# Altium PCB Minion_Rev2.PcbDoc (part 9 of 11) (continued)
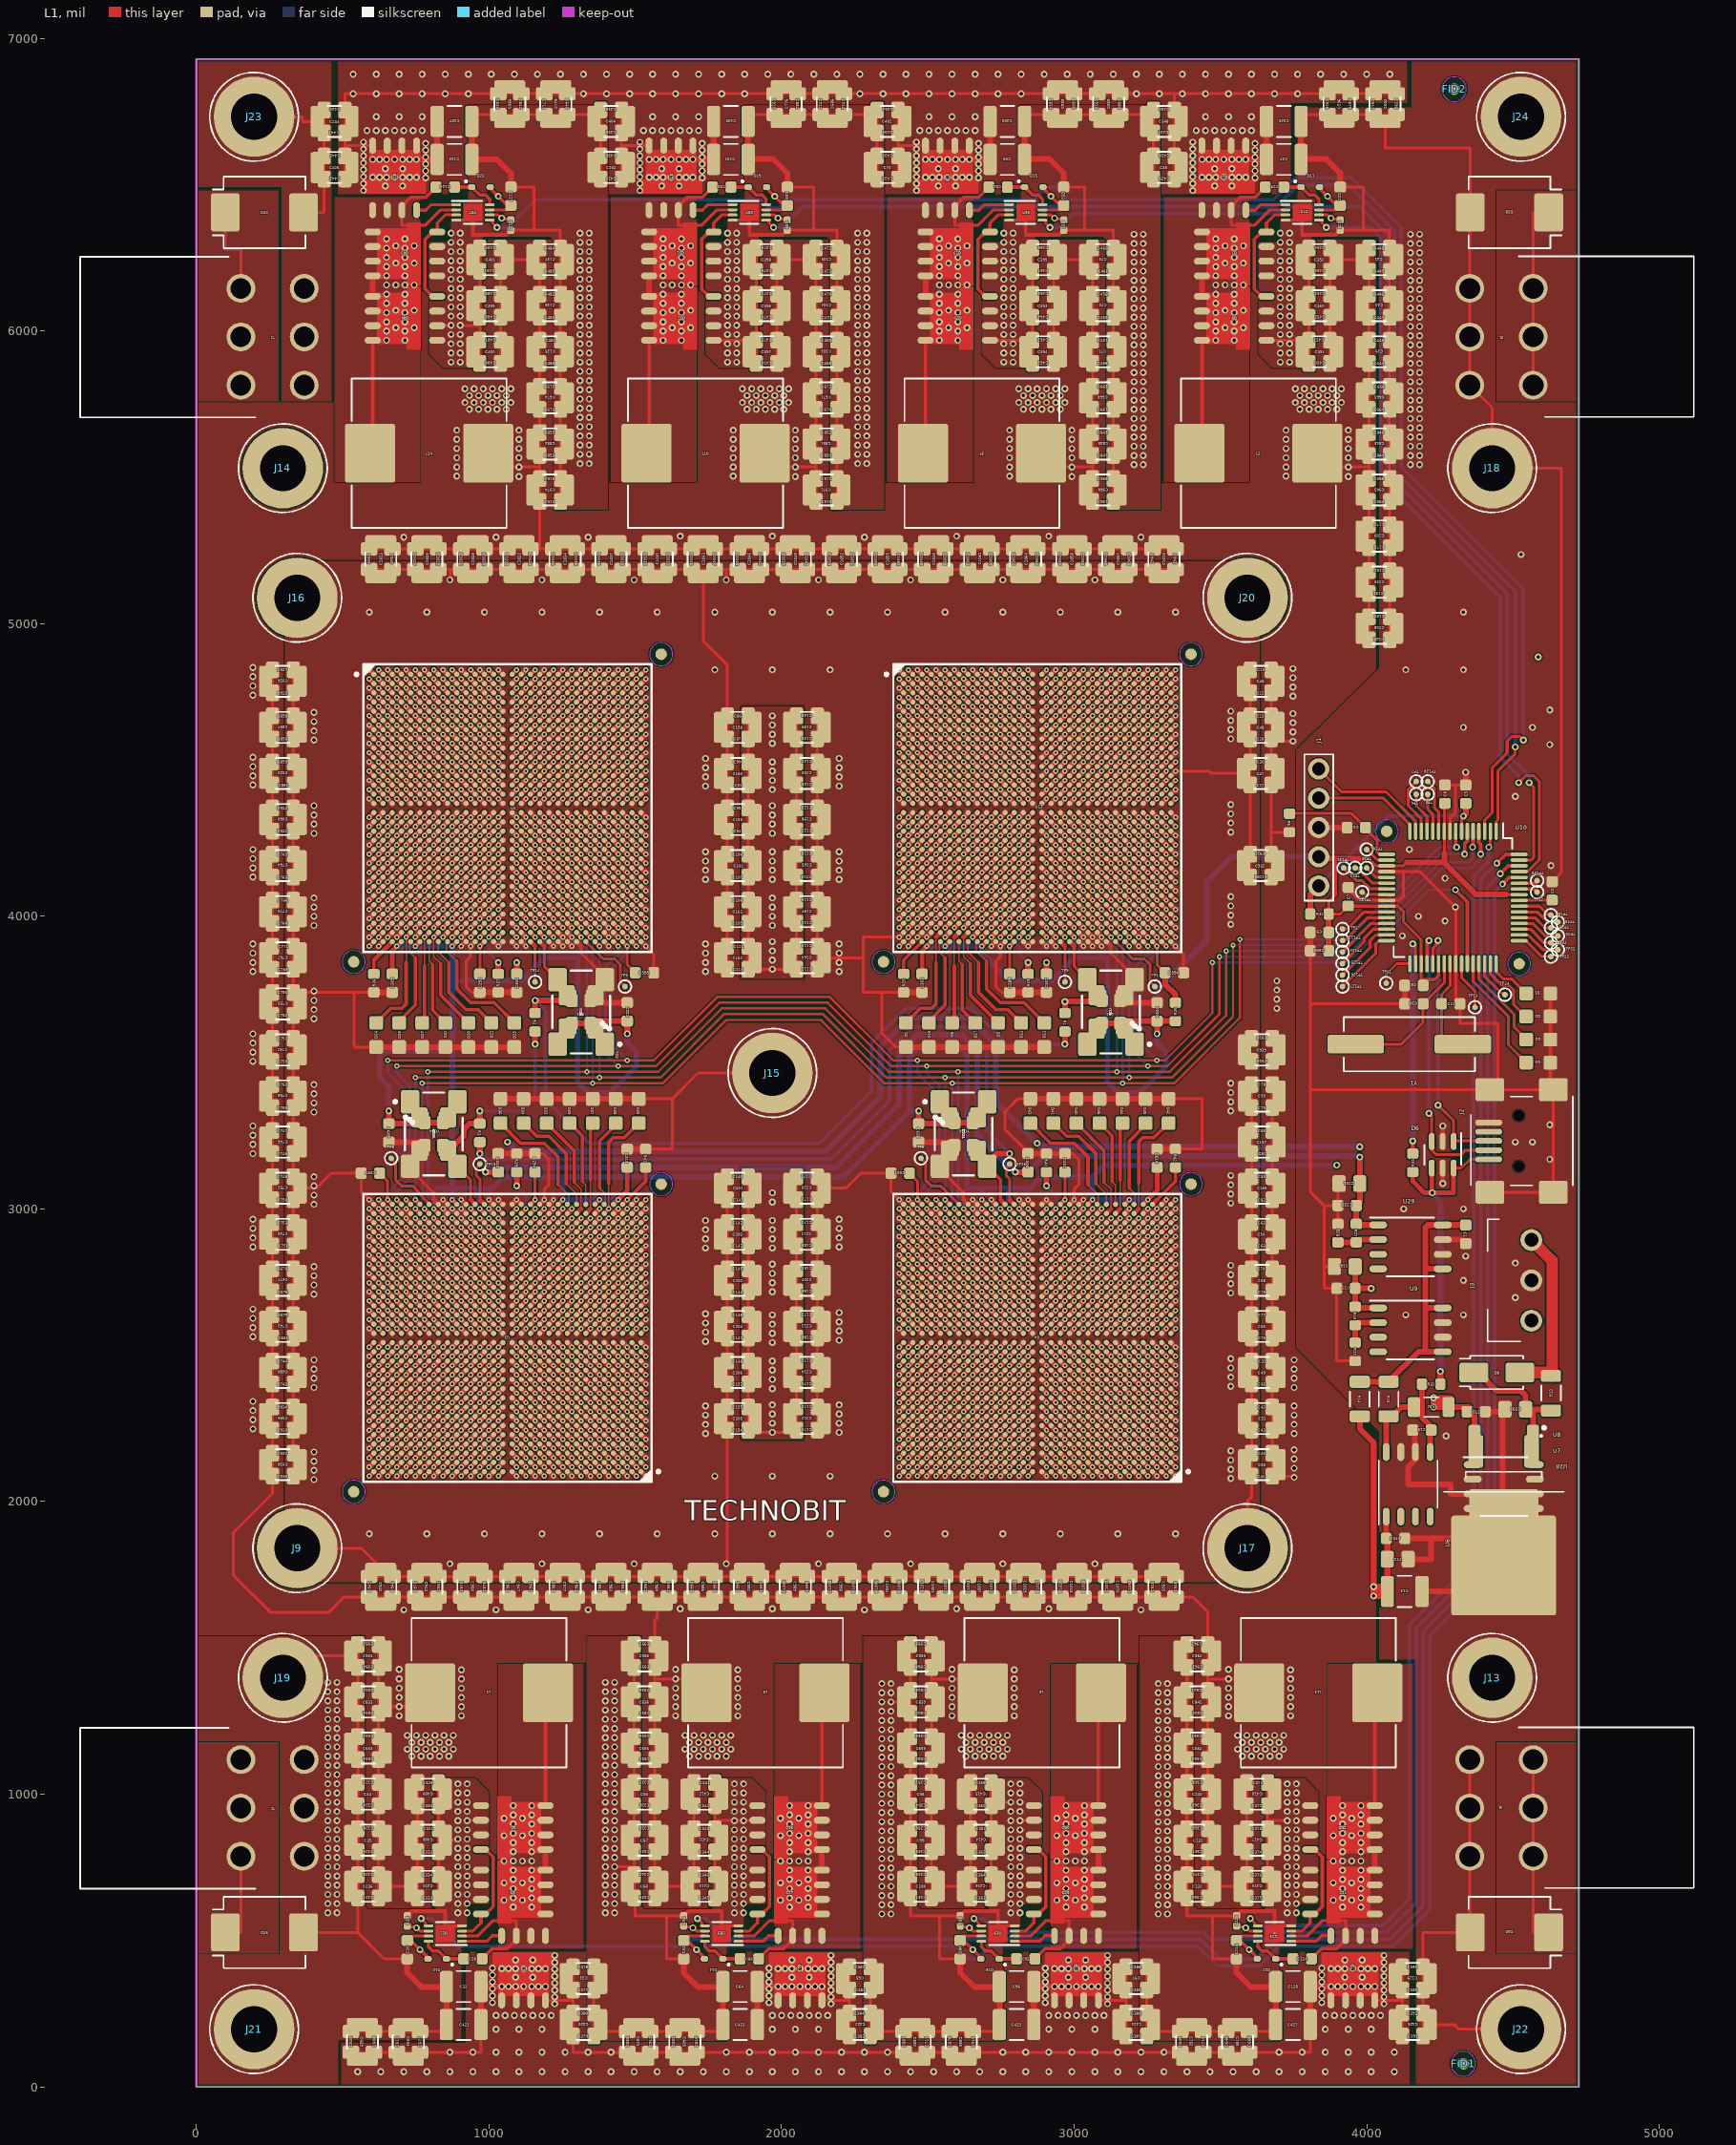
[diagram p0: L1 view]
## Nets (pads, with @x,y where several pads share a name; then routed paths per layer and width w, separated by ;. In a path a pad name is that pad's centre, name@x,y a point inside that pad or via, vN(x,y) a via of type N, cw(c..) or ccw(c..) an arc to the next point about the centre after c; other vN are vias at no path point) (continued)
; U2.M16@1078.74,4480.31 v1(1094.49,4496.06) ; U2.K16@1078.74,4543.31 v1(1094.49,4559.06) ; U2.H16@1078.74,4606.3 v1(1094.49,4622.05) ; U2.F16@1078.74,4669.29 v1(1094.49,4685.04) ; U2.D16@1078.74,4732.28 v1(1094.49,4748.03) ; U2.B16@1078.74,4795.28 v1(1094.49,4811.02) ; U3.B14@1110.24,2133.86 v1(1125.98,2118.11) ; U3.D14@1110.24,2196.85 v1(1125.98,2181.1) ; U3.F14@1110.24,2259.84 v1(1125.98,2244.09) ; U3.H14@1110.24,2322.83 v1(1125.98,2307.09) ; U3.K14@1110.24,2385.83 v1(1125.98,2370.08) ; U3.M14@1110.24,2448.82 v1(1125.98,2433.07) ; U3.P14@1110.24,2511.81 v1(1125.98,2496.06) ; U3.T14@1110.24,2574.8 v1(1125.98,2590.55) ; U3.V14@1110.24,2637.8 v1(1125.98,2653.54) ; U3.Y14@1110.24,2700.79 v1(1125.98,2716.54) ; U3.AB14@1110.24,2763.78 v1(1125.98,2779.53) ; U3.AD14@1110.24,2826.77 v1(1125.98,2842.52) ; U3.AF14@1110.24,2889.76 v1(1125.98,2905.51) ; U3.AH14@1110.24,2952.76 v1(1125.98,2968.5) ; U2.AK17@1110.24,3913.39 v1(1125.98,3897.64) ; U2.AJ17@1110.24,3944.88 v1(1125.98,3929.13) ; U2.AG17@1110.24,4007.87 v1(1125.98,3992.13) ; U2.AE17@1110.24,4070.87 v1(1125.98,4055.12) ; U2.AC17@1110.24,4133.86 v1(1125.98,4118.11) ; U2.AA17@1110.24,4196.85 v1(1125.98,4181.1) ; U2.W17@1110.24,4259.84 v1(1125.98,4244.09) ; U2.U17@1110.24,4322.83 v1(1125.98,4307.09) ; U2.R17@1110.24,4385.83 v1(1125.98,4401.57) ; U2.N17@1110.24,4448.82 v1(1125.98,4464.57) ; U2.L17@1110.24,4511.81 v1(1125.98,4527.56) ; U2.J17@1110.24,4574.8 v1(1125.98,4590.55) ; U2.G17@1110.24,4637.8 v1(1125.98,4653.54) ; U2.E17@1110.24,4700.79 v1(1125.98,4716.54) ; U2.C17@1110.24,4763.78 v1(1125.98,4779.53) ; U2.A17@1110.24,4826.77 v1(1125.98,4842.52) ; U3.A13@1141.73,2102.36 v1(1157.48,2086.61) ; U3.C13@1141.73,2165.35 v1(1157.48,2149.61) ; U3.E13@1141.73,2228.35 v1(1157.48,2212.6) ; U3.G13@1141.73,2291.34 v1(1157.48,2275.59) ; U3.J13@1141.73,2354.33 v1(1157.48,2338.58) ; U3.L13@1141.73,2417.32 v1(1157.48,2401.57) ; U3.N13@1141.73,2480.31 v1(1157.48,2464.57) ; U3.R13@1141.73,2543.31 v1(1157.48,2527.56) ; U3.U13@1141.73,2606.3 v1(1157.48,2622.05) ; U3.W13@1141.73,2669.29 v1(1157.48,2685.04) ; U3.AA13@1141.73,2732.28 v1(1157.48,2748.03) ; U3.AC13@1141.73,2795.28 v1(1157.48,2811.02) ; U3.AE13@1141.73,2858.27 v1(1157.48,2874.02) ; U3.AG13@1141.73,2921.26 v1(1157.48,2937.01) ; U2.AH18@1141.73,3976.38 v1(1157.48,3960.63) ; U2.AF18@1141.73,4039.37 v1(1157.48,4023.62) ; U2.AD18@1141.73,4102.36 v1(1157.48,4086.61) ; U2.AB18@1141.73,4165.35 v1(1157.48,4149.61) ; U2.Y18@1141.73,4228.35 v1(1157.48,4212.6) ; U2.V18@1141.73,4291.34 v1(1157.48,4275.59) ; U2.T18@1141.73,4354.33 v1(1157.48,4338.58) ; U2.P18@1141.73,4417.32 v1(1157.48,4433.07) ; U2.M18@1141.73,4480.31 v1(1157.48,4496.06) ; U2.K18@1141.73,4543.31 v1(1157.48,4559.06) ; U2.H18@1141.73,4606.3 v1(1157.48,4622.05) ; U2.F18@1141.73,4669.29 v1(1157.48,4685.04) ; U2.D18@1141.73,4732.28 v1(1157.48,4748.03) ; U2.B18@1141.73,4795.28 v1(1157.48,4811.02) ; U3.B12@1173.23,2133.86 v1(1188.98,2118.11) ; U3.D12@1173.23,2196.85 v1(1188.98,2181.1) ; U3.F12@1173.23,2259.84 v1(1188.98,2244.09) ; U3.H12@1173.23,2322.83 v1(1188.98,2307.09) ; U3.K12@1173.23,2385.83 v1(1188.98,2370.08) ; U3.M12@1173.23,2448.82 v1(1188.98,2433.07) ; U3.P12@1173.23,2511.81 v1(1188.98,2496.06) ; U3.T12@1173.23,2574.8 v1(1188.98,2590.55) ; U3.V12@1173.23,2637.8 v1(1188.98,2653.54) ; U3.Y12@1173.23,2700.79 v1(1188.98,2716.54) ; U3.AB12@1173.23,2763.78 v1(1188.98,2779.53) ; U3.AD12@1173.23,2826.77 v1(1188.98,2842.52) ; U3.AF12@1173.23,2889.76 v1(1188.98,2905.51) ; U3.AH12@1173.23,2952.76 v1(1188.98,2968.5) ; U3.AK12@1173.23,3015.75 v1(1188.98,3031.5) ; U2.AG19@1173.23,4007.87 v1(1188.98,3992.13) ; U2.AE19@1173.23,4070.87 v1(1188.98,4055.12) ; U2.AC19@1173.23,4133.86 v1(1188.98,4118.11) ; U2.AA19@1173.23,4196.85 v1(1188.98,4181.1) ; U2.W19@1173.23,4259.84 v1(1188.98,4244.09) ; U2.U19@1173.23,4322.83 v1(1188.98,4307.09) ; U2.R19@1173.23,4385.83 v1(1188.98,4401.57) ; U2.N19@1173.23,4448.82 v1(1188.98,4464.57) ; U2.L19@1173.23,4511.81 v1(1188.98,4527.56) ; U2.J19@1173.23,4574.8 v1(1188.98,4590.55) ; U2.G19@1173.23,4637.8 v1(1188.98,4653.54) ; U2.E19@1173.23,4700.79 v1(1188.98,4716.54) ; U2.C19@1173.23,4763.78 v1(1188.98,4779.53) ; U2.A19@1173.23,4826.77 v1(1188.98,4842.52) ; U3.A11@1204.72,2102.36 v1(1220.47,2086.61) ; U3.C11@1204.72,2165.35 v1(1220.47,2149.61) ; U3.E11@1204.72,2228.35 v1(1220.47,2212.6) ; U3.G11@1204.72,2291.34 v1(1220.47,2275.59) ; U3.J11@1204.72,2354.33 v1(1220.47,2338.58) ; U3.L11@1204.72,2417.32 v1(1220.47,2401.57) ; U3.N11@1204.72,2480.31 v1(1220.47,2464.57) ; U3.R11@1204.72,2543.31 v1(1220.47,2527.56) ; U3.U11@1204.72,2606.3 v1(1220.47,2622.05) ; U3.W11@1204.72,2669.29 v1(1220.47,2685.04) ; U3.AA11@1204.72,2732.28 v1(1220.47,2748.03) ; U3.AC11@1204.72,2795.28 v1(1220.47,2811.02) ; U3.AE11@1204.72,2858.27 v1(1220.47,2874.02) ; U3.AG11@1204.72,2921.26 v1(1220.47,2937.01) ; U3.AJ11@1204.72,2984.25 v1(1220.47,3000) ; U3.AK11@1204.72,3015.75 v1(1220.47,3031.5) ; U2.AK20@1204.72,3913.39 v1(1220.47,3897.64) ; U2.AH20@1204.72,3976.38 v1(1220.47,3960.63) ; U2.AF20@1204.72,4039.37 v1(1220.47,4023.62) ; U2.AD20@1204.72,4102.36 v1(1220.47,4086.61) ; U2.AB20@1204.72,4165.35 v1(1220.47,4149.61) ; U2.Y20@1204.72,4228.35 v1(1220.47,4212.6) ; U2.V20@1204.72,4291.34 v1(1220.47,4275.59) ; U2.T20@1204.72,4354.33 v1(1220.47,4338.58) ; U2.P20@1204.72,4417.32 v1(1220.47,4433.07) ; U2.M20@1204.72,4480.31 v1(1220.47,4496.06) ; U2.K20@1204.72,4543.31 v1(1220.47,4559.06) ; U2.H20@1204.72,4606.3 v1(1220.47,4622.05) ; U2.F20@1204.72,4669.29 v1(1220.47,4685.04) ; U2.D20@1204.72,4732.28 v1(1220.47,4748.03) ; U2.B20@1204.72,4795.28 v1(1220.47,4811.02) ; U3.B10@1236.22,2133.86 v1(1251.97,2118.11) ; U3.D10@1236.22,2196.85 v1(1251.97,2181.1) ; U3.F10@1236.22,2259.84 v1(1251.97,2244.09) ; U3.H10@1236.22,2322.83 v1(1251.97,2307.09) ; U3.K10@1236.22,2385.83 v1(1251.97,2370.08) ; U3.M10@1236.22,2448.82 v1(1251.97,2433.07) ; U3.P10@1236.22,2511.81 v1(1251.97,2496.06) ; U3.T10@1236.22,2574.8 v1(1251.97,2590.55) ; U3.V10@1236.22,2637.8 v1(1251.97,2653.54) ; U3.Y10@1236.22,2700.79 v1(1251.97,2716.54) ; U3.AB10@1236.22,2763.78 v1(1251.97,2779.53) ; U3.AD10@1236.22,2826.77 v1(1251.97,2842.52) ; U3.AF10@1236.22,2889.76 v1(1251.97,2905.51) ; U3.AH10@1236.22,2952.76 v1(1251.97,2968.5) ; U2.AK21@1236.22,3913.39 v1(1251.97,3897.64) ; U2.AJ21@1236.22,3944.88 v1(1251.97,3929.13) ; U2.AG21@1236.22,4007.87 v1(1251.97,3992.13) ; U2.AE21@1236.22,4070.87 v1(1251.97,4055.12) ; U2.AC21@1236.22,4133.86 v1(1251.97,4118.11) ; U2.AA21@1236.22,4196.85 v1(1251.97,4181.1) ; U2.W21@1236.22,4259.84 v1(1251.97,4244.09) ; U2.U21@1236.22,4322.83 v1(1251.97,4307.09) ; U2.R21@1236.22,4385.83 v1(1251.97,4401.57) ; U2.N21@1236.22,4448.82 v1(1251.97,4464.57) ; U2.L21@1236.22,4511.81 v1(1251.97,4527.56) ; U2.J21@1236.22,4574.8 v1(1251.97,4590.55) ; U2.G21@1236.22,4637.8 v1(1251.97,4653.54) ; U2.E21@1236.22,4700.79 v1(1251.97,4716.54) ; U2.C21@1236.22,4763.78 v1(1251.97,4779.53) ; U2.A21@1236.22,4826.77 v1(1251.97,4842.52) ; U3.A9@1267.72,2102.36 v1(1283.46,2086.61) ; U3.C9@1267.72,2165.35 v1(1283.46,2149.61) ; U3.E9@1267.72,2228.35 v1(1283.46,2212.6) ; U3.G9@1267.72,2291.34 v1(1283.46,2275.59) ; U3.J9@1267.72,2354.33 v1(1283.46,2338.58) ; U3.L9@1267.72,2417.32 v1(1283.46,2401.57) ; U3.N9@1267.72,2480.31 v1(1283.46,2464.57) ; U3.R9@1267.72,2543.31 v1(1283.46,2527.56) ; U3.U9@1267.72,2606.3 v1(1283.46,2622.05) ; U3.W9@1267.72,2669.29 v1(1283.46,2685.04) ; U3.AA9@1267.72,2732.28 v1(1283.46,2748.03) ; U3.AC9@1267.72,2795.28 v1(1283.46,2811.02) ; U3.AE9@1267.72,2858.27 v1(1283.46,2874.02) ; U3.AG9@1267.72,2921.26 v1(1283.46,2937.01) ; U3.AJ9@1267.72,2984.25 v1(1283.46,3000) ; U2.AK22@1267.72,3913.39 v1(1283.46,3897.64) ; U2.AJ22@1267.72,3944.88 v1(1283.46,3929.13) ; U2.AH22@1267.72,3976.38 v1(1283.46,3960.63) ; U2.AF22@1267.72,4039.37 v1(1283.46,4023.62) ; U2.AD22@1267.72,4102.36 v1(1283.46,4086.61) ; U2.AB22@1267.72,4165.35 v1(1283.46,4149.61) ; U2.Y22@1267.72,4228.35 v1(1283.46,4212.6) ; U2.V22@1267.72,4291.34 v1(1283.46,4275.59) ; U2.T22@1267.72,4354.33 v1(1283.46,4338.58) ; U2.P22@1267.72,4417.32 v1(1283.46,4433.07) ; U2.M22@1267.72,4480.31 v1(1283.46,4496.06) ; U2.K22@1267.72,4543.31 v1(1283.46,4559.06) ; U2.H22@1267.72,4606.3 v1(1283.46,4622.05) ; U2.F22@1267.72,4669.29 v1(1283.46,4685.04) ; U2.D22@1267.72,4732.28 v1(1283.46,4748.03) ; U2.B22@1267.72,4795.28 v1(1283.46,4811.02) ; U3.B8@1299.21,2133.86 v1(1314.96,2118.11) ; U3.D8@1299.21,2196.85 v1(1314.96,2181.1) ; U3.F8@1299.21,2259.84 v1(1314.96,2244.09) ; U3.H8@1299.21,2322.83 v1(1314.96,2307.09) ; U3.K8@1299.21,2385.83 v1(1314.96,2370.08) ; U3.M8@1299.21,2448.82 v1(1314.96,2433.07) ; U3.P8@1299.21,2511.81 v1(1314.96,2496.06) ; U3.T8@1299.21,2574.8 v1(1314.96,2590.55) ; U3.V8@1299.21,2637.8 v1(1314.96,2653.54) ; U3.Y8@1299.21,2700.79 v1(1314.96,2716.54) ; U3.AB8@1299.21,2763.78 v1(1314.96,2779.53) ; U3.AD8@1299.21,2826.77 v1(1314.96,2842.52) ; U3.AF8@1299.21,2889.76 v1(1314.96,2905.51) ; U3.AH8@1299.21,2952.76 v1(1314.96,2968.5) ; U2.AK23@1299.21,3913.39 1314.96,3897.64 ; U2.AG23@1299.21,4007.87 v1(1314.96,3992.13) ; U2.AE23@1299.21,4070.87 v1(1314.96,4055.12) ; U2.AC23@1299.21,4133.86 v1(1314.96,4118.11) ; U2.AA23@1299.21,4196.85 v1(1314.96,4181.1) ; U2.W23@1299.21,4259.84 v1(1314.96,4244.09) ; U2.U23@1299.21,4322.83 v1(1314.96,4307.09) ; U2.R23@1299.21,4385.83 v1(1314.96,4401.57) ; U2.N23@1299.21,4448.82 v1(1314.96,4464.57) ; U2.L23@1299.21,4511.81 v1(1314.96,4527.56) ; U2.J23@1299.21,4574.8 v1(1314.96,4590.55) ; U2.G23@1299.21,4637.8 v1(1314.96,4653.54) ; U2.E23@1299.21,4700.79 v1(1314.96,4716.54) ; U2.C23@1299.21,4763.78 v1(1314.96,4779.53) ; U2.A23@1299.21,4826.77 v1(1314.96,4842.52) ; U3.A7@1330.71,2102.36 v1(1346.46,2086.61) ; U3.C7@1330.71,2165.35 v1(1346.46,2149.61) ; U3.E7@1330.71,2228.35 v1(1346.46,2212.6) ; U3.G7@1330.71,2291.34 v1(1346.46,2275.59) ; U3.J7@1330.71,2354.33 v1(1346.46,2338.58) ; U3.L7@1330.71,2417.32 v1(1346.46,2401.57) ; U3.N7@1330.71,2480.31 v1(1346.46,2464.57) ; U3.R7@1330.71,2543.31 v1(1346.46,2527.56) ; U3.U7@1330.71,2606.3 v1(1346.46,2622.05) ; U3.W7@1330.71,2669.29 v1(1346.46,2685.04) ; U3.AA7@1330.71,2732.28 v1(1346.46,2748.03) ; U3.AC7@1330.71,2795.28 v1(1346.46,2811.02) ; U3.AE7@1330.71,2858.27 v1(1346.46,2874.02) ; U3.AG7@1330.71,2921.26 v1(1346.46,2937.01) ; U2.AH24@1330.71,3976.38 v1(1346.46,3960.63) ; U2.AF24@1330.71,4039.37 v1(1346.46,4023.62) ; U2.AD24@1330.71,4102.36 v1(1346.46,4086.61) ; U2.AB24@1330.71,4165.35 v1(1346.46,4149.61) ; U2.Y24@1330.71,4228.35 v1(1346.46,4212.6) ; U2.V24@1330.71,4291.34 v1(1346.46,4275.59) ; U2.T24@1330.71,4354.33 v1(1346.46,4338.58) ; U2.P24@1330.71,4417.32 v1(1346.46,4433.07) ; U2.M24@1330.71,4480.31 v1(1346.46,4496.06) ; U2.K24@1330.71,4543.31 v1(1346.46,4559.06) ; U2.H24@1330.71,4606.3 v1(1346.46,4622.05) ; U2.F24@1330.71,4669.29 v1(1346.46,4685.04) ; U2.D24@1330.71,4732.28 v1(1346.46,4748.03) ; U2.B24@1330.71,4795.28 v1(1346.46,4811.02) ; U3.B6@1362.2,2133.86 v1(1377.95,2118.11) ; U3.D6@1362.2,2196.85 v1(1377.95,2181.1) ; U3.F6@1362.2,2259.84 v1(1377.95,2244.09) ; U3.H6@1362.2,2322.83 v1(1377.95,2307.09) ; U3.K6@1362.2,2385.83 v1(1377.95,2370.08) ; U3.M6@1362.2,2448.82 v1(1377.95,2433.07) ; U3.P6@1362.2,2511.81 v1(1377.95,2496.06) ; U3.T6@1362.2,2574.8 v1(1377.95,2590.55) ; U3.V6@1362.2,2637.8 v1(1377.95,2653.54) ; U3.Y6@1362.2,2700.79 v1(1377.95,2716.54) ; U3.AB6@1362.2,2763.78 v1(1377.95,2779.53) ; U3.AD6@1362.2,2826.77 v1(1377.95,2842.52) ; U3.AF6@1362.2,2889.76 v1(1377.95,2905.51) ; U3.AH6@1362.2,2952.76 v1(1377.95,2968.5) ; U3.AJ6@1362.2,2984.25 v1(1377.95,3000) ; U2.AG25@1362.2,4007.87 v1(1377.95,3992.13) ; U2.AE25@1362.2,4070.87 v1(1377.95,4055.12) ; U2.AC25@1362.2,4133.86 v1(1377.95,4118.11) ; U2.AA25@1362.2,4196.85 v1(1377.95,4181.1) ; U2.W25@1362.2,4259.84 v1(1377.95,4244.09) ; U2.U25@1362.2,4322.83 v1(1377.95,4307.09) ; U2.R25@1362.2,4385.83 v1(1377.95,4401.57) ; U2.N25@1362.2,4448.82 v1(1377.95,4464.57) ; U2.L25@1362.2,4511.81 v1(1377.95,4527.56) ; U2.J25@1362.2,4574.8 v1(1377.95,4590.55) ; U2.G25@1362.2,4637.8 v1(1377.95,4653.54) ; U2.E25@1362.2,4700.79 v1(1377.95,4716.54) ; U2.C25@1362.2,4763.78 v1(1377.95,4779.53) ; U2.A25@1362.2,4826.77 v1(1377.95,4842.52) ; U3.A5@1393.7,2102.36 v1(1409.45,2086.61) ; U3.C5@1393.7,2165.35 v1(1409.45,2149.61) ; U3.E5@1393.7,2228.35 v1(1409.45,2212.6) ; U3.G5@1393.7,2291.34 v1(1409.45,2275.59) ; U3.J5@1393.7,2354.33 v1(1409.45,2338.58) ; U3.L5@1393.7,2417.32 v1(1409.45,2401.57) ; U3.N5@1393.7,2480.31 v1(1409.45,2464.57) ; U3.R5@1393.7,2543.31 v1(1409.45,2527.56) ; U3.U5@1393.7,2606.3 v1(1409.45,2622.05) ; U3.W5@1393.7,2669.29 v1(1409.45,2685.04) ; U3.AA5@1393.7,2732.28 v1(1409.45,2748.03) ; U3.AC5@1393.7,2795.28 v1(1409.45,2811.02) ; U3.AE5@1393.7,2858.27 v1(1409.45,2874.02) ; U3.AG5@1393.7,2921.26 v1(1409.45,2937.01) ; U2.AJ26@1393.7,3944.88 v1(1409.45,3929.13) ; U2.AH26@1393.7,3976.38 v1(1409.45,3960.63) ; U2.AF26@1393.7,4039.37 v1(1409.45,4023.62) ; U2.AD26@1393.7,4102.36 v1(1409.45,4086.61) ; U2.AB26@1393.7,4165.35 v1(1409.45,4149.61) ; U2.Y26@1393.7,4228.35 v1(1409.45,4212.6) ; U2.V26@1393.7,4291.34 v1(1409.45,4275.59) ; U2.T26@1393.7,4354.33 v1(1409.45,4338.58) ; U2.P26@1393.7,4417.32 v1(1409.45,4433.07) ; U2.M26@1393.7,4480.31 v1(1409.45,4496.06) ; U2.K26@1393.7,4543.31 v1(1409.45,4559.06) ; U2.H26@1393.7,4606.3 v1(1409.45,4622.05) ; U2.F26@1393.7,4669.29 v1(1409.45,4685.04) ; U2.D26@1393.7,4732.28 v1(1409.45,4748.03) ; U2.B26@1393.7,4795.28 v1(1409.45,4811.02) ; U3.B4@1425.2,2133.86 v1(1440.94,2118.11) ; U3.D4@1425.2,2196.85 v1(1440.94,2181.1) ; U3.F4@1425.2,2259.84 v1(1440.94,2244.09) ; U3.H4@1425.2,2322.83 v1(1440.94,2307.09) ; U3.K4@1425.2,2385.83 v1(1440.94,2370.08) ; U3.M4@1425.2,2448.82 v1(1440.94,2433.07) ; U3.P4@1425.2,2511.81 v1(1440.94,2496.06) ; U3.T4@1425.2,2574.8 v1(1440.94,2590.55) ; U3.V4@1425.2,2637.8 v1(1440.94,2653.54) ; U3.Y4@1425.2,2700.79 v1(1440.94,2716.54) ; U3.AB4@1425.2,2763.78 v1(1440.94,2779.53) ; U3.AD4@1425.2,2826.77 v1(1440.94,2842.52) ; U3.AF4@1425.2,2889.76 v1(1440.94,2905.51) ; U3.AH4@1425.2,2952.76 v1(1440.94,2968.5) ; U3.AJ4@1425.2,2984.25 v1(1440.94,3000) ; U2.AJ27@1425.2,3944.88 v1(1440.94,3929.13) ; U2.AG27@1425.2,4007.87 v1(1440.94,3992.13) ; U2.AE27@1425.2,4070.87 v1(1440.94,4055.12) ; U2.AC27@1425.2,4133.86 v1(1440.94,4118.11) ; U2.AA27@1425.2,4196.85 v1(1440.94,4181.1) ; U2.W27@1425.2,4259.84 v1(1440.94,4244.09) ; U2.U27@1425.2,4322.83 v1(1440.94,4307.09) ; U2.R27@1425.2,4385.83 v1(1440.94,4401.57) ; U2.N27@1425.2,4448.82 v1(1440.94,4464.57) ; U2.L27@1425.2,4511.81 v1(1440.94,4527.56) ; U2.J27@1425.2,4574.8 v1(1440.94,4590.55) ; U2.G27@1425.2,4637.8 v1(1440.94,4653.54) ; U2.E27@1425.2,4700.79 v1(1440.94,4716.54) ; U2.C27@1425.2,4763.78 v1(1440.94,4779.53) ; U2.A27@1425.2,4826.77 v1(1440.94,4842.52) ; U3.A3@1456.69,2102.36 v1(1472.44,2086.61) ; U3.C3@1456.69,2165.35 v1(1472.44,2149.61) ; U3.E3@1456.69,2228.35 v1(1472.44,2212.6) ; U3.G3@1456.69,2291.34 v1(1472.44,2275.59) ; U3.J3@1456.69,2354.33 v1(1472.44,2338.58) ; U3.L3@1456.69,2417.32 v1(1472.44,2401.57) ; U3.N3@1456.69,2480.31 v1(1472.44,2464.57) ; U3.R3@1456.69,2543.31 v1(1472.44,2527.56) ; U3.U3@1456.69,2606.3 v1(1472.44,2622.05) ; U3.W3@1456.69,2669.29 v1(1472.44,2685.04) ; U3.AA3@1456.69,2732.28 v1(1472.44,2748.03) ; U3.AC3@1456.69,2795.28 v1(1472.44,2811.02) ; U3.AE3@1456.69,2858.27 v1(1472.44,2874.02) ; U3.AG3@1456.69,2921.26 v1(1472.44,2937.01) ; U3.AJ3@1456.69,2984.25 v1(1472.44,3000) ; U2.AH28@1456.69,3976.38 v1(1472.44,3960.63) ; U2.AF28@1456.69,4039.37 v1(1472.44,4023.62) ; U2.AD28@1456.69,4102.36 v1(1472.44,4086.61) ; U2.AB28@1456.69,4165.35 v1(1472.44,4149.61) ; U2.Y28@1456.69,4228.35 v1(1472.44,4212.6) ; U2.V28@1456.69,4291.34 v1(1472.44,4275.59) ; U2.T28@1456.69,4354.33 v1(1472.44,4338.58) ; U2.P28@1456.69,4417.32 v1(1472.44,4433.07) ; U2.M28@1456.69,4480.31 v1(1472.44,4496.06) ; U2.K28@1456.69,4543.31 v1(1472.44,4559.06) ; U2.H28@1456.69,4606.3 v1(1472.44,4622.05) ; U2.F28@1456.69,4669.29 v1(1472.44,4685.04) ; U2.D28@1456.69,4732.28 v1(1472.44,4748.03) ; U2.B28@1456.69,4795.28 v1(1472.44,4811.02) ; U3.B2@1488.19,2133.86 v1(1503.94,2118.11) ; U3.D2@1488.19,2196.85 v1(1503.94,2181.1) ; U3.F2@1488.19,2259.84 v1(1503.94,2244.09) ; U3.H2@1488.19,2322.83 v1(1503.94,2307.09) ; U3.K2@1488.19,2385.83 v1(1503.94,2370.08) ; U3.M2@1488.19,2448.82 v1(1503.94,2433.07) ; U3.P2@1488.19,2511.81 v1(1503.94,2496.06) ; U3.T2@1488.19,2574.8 v1(1503.94,2590.55) ; U3.V2@1488.19,2637.8 v1(1503.94,2653.54) ; U3.Y2@1488.19,2700.79 v1(1503.94,2716.54) ; U3.AB2@1488.19,2763.78 v1(1503.94,2779.53) ; U3.AD2@1488.19,2826.77 v1(1503.94,2842.52) ; U3.AF2@1488.19,2889.76 v1(1503.94,2905.51) ; U3.AH2@1488.19,2952.76 v1(1503.94,2968.5) ; U3.AK2@1488.19,3015.75 v1(1503.94,3031.5) ; U2.AJ29@1488.19,3944.88 v1(1503.94,3929.13) ; U2.AG29@1488.19,4007.87 v1(1503.94,3992.13) ; U2.AE29@1488.19,4070.87 v1(1503.94,4055.12) ; U2.AC29@1488.19,4133.86 v1(1503.94,4118.11) ; U2.AA29@1488.19,4196.85 v1(1503.94,4181.1) ; U2.W29@1488.19,4259.84 v1(1503.94,4244.09) ; U2.U29@1488.19,4322.83 v1(1503.94,4307.09) ; U2.R29@1488.19,4385.83 v1(1503.94,4401.57) ; U2.N29@1488.19,4448.82 v1(1503.94,4464.57) ; U2.L29@1488.19,4511.81 v1(1503.94,4527.56) ; U2.J29@1488.19,4574.8 v1(1503.94,4590.55) ; U2.G29@1488.19,4637.8 v1(1503.94,4653.54) ; U2.E29@1488.19,4700.79 v1(1503.94,4716.54) ; U2.C29@1488.19,4763.78 v1(1503.94,4779.53) ; U2.A29@1488.19,4826.77 v1(1503.94,4842.52) ; U3.A1@1519.68,2102.36 v1(1535.43,2086.61) ; U3.C1@1519.68,2165.35 v1(1535.43,2149.61) ; U3.E1@1519.68,2228.35 v1(1535.43,2212.6) ; U3.G1@1519.68,2291.34 v1(1535.43,2275.59) ; U3.J1@1519.68,2354.33 v1(1535.43,2338.58) ; U3.L1@1519.68,2417.32 v1(1535.43,2401.57) ; U3.N1@1519.68,2480.31 v1(1535.43,2464.57) ; U3.R1@1519.68,2543.31 v1(1535.43,2527.56) ; U3.U1@1519.68,2606.3 v1(1535.43,2622.05) ; U3.W1@1519.68,2669.29 v1(1535.43,2685.04) ; U3.AA1@1519.68,2732.28 v1(1535.43,2748.03) ; U3.AC1@1519.68,2795.28 v1(1535.43,2811.02) ; U3.AE1@1519.68,2858.27 v1(1535.43,2874.02) ; U3.AG1@1519.68,2921.26 v1(1535.43,2937.01) ; U3.AJ1@1519.68,2984.25 v1(1535.43,3000) ; U2.AK30@1519.68,3913.39 v1(1535.43,3897.64) ; U2.AH30@1519.68,3976.38 v1(1535.43,3960.63) ; U2.AF30@1519.68,4039.37 v1(1535.43,4023.62) ; U2.AD30@1519.68,4102.36 v1(1535.43,4086.61) ; U2.AB30@1519.68,4165.35 v1(1535.43,4149.61) ; U2.Y30@1519.68,4228.35 v1(1535.43,4212.6) ; U2.V30@1519.68,4291.34 v1(1535.43,4275.59) ; U2.T30@1519.68,4354.33 v1(1535.43,4338.58) ; U2.P30@1519.68,4417.32 v1(1535.43,4433.07) ; U2.M30@1519.68,4480.31 v1(1535.43,4496.06) ; U2.K30@1519.68,4543.31 v1(1535.43,4559.06) ; U2.H30@1519.68,4606.3 v1(1535.43,4622.05) ; U2.F30@1519.68,4669.29 v1(1535.43,4685.04) ; U2.D30@1519.68,4732.28 v1(1535.43,4748.03) ; U2.B30@1519.68,4795.28 v1(1535.43,4811.02) ; v1(2401.57,2118.11) U4.B30@2417.32,2133.86 ; v1(2401.57,2181.1) U4.D30@2417.32,2196.85 ; v1(2401.57,2244.09) U4.F30@2417.32,2259.84 ; v1(2401.57,2307.09) U4.H30@2417.32,2322.83 ; v1(2401.57,2370.08) U4.K30@2417.32,2385.83 ; v1(2401.57,2433.07) U4.M30@2417.32,2448.82 ; v1(2401.57,2496.06) U4.P30@2417.32,2511.81 ; v1(2401.57,2590.55) U4.T30@2417.32,2574.8 ; v1(2401.57,2653.54) U4.V30@2417.32,2637.8 ; v1(2401.57,2716.54) U4.Y30@2417.32,2700.79 ; v1(2401.57,2779.53) U4.AB30@2417.32,2763.78 ; v1(2401.57,2842.52) U4.AD30@2417.32,2826.77 ; v1(2401.57,2905.51) U4.AF30@2417.32,2889.76 ; v1(2401.57,2968.5) U4.AH30@2417.32,2952.76 ; v1(2401.57,3031.5) U4.AK30@2417.32,3015.75 ; v1(2401.57,3929.13) U13.AJ1@2417.32,3944.88 ; v1(2401.57,3992.13) U13.AG1@2417.32,4007.87 ; v1(2401.57,4055.12) U13.AE1@2417.32,4070.87 ; v1(2401.57,4118.11) U13.AC1@2417.32,4133.86 ; v1(2401.57,4181.1) U13.AA1@2417.32,4196.85 ; v1(2401.57,4244.09) U13.W1@2417.32,4259.84 ; v1(2401.57,4307.09) U13.U1@2417.32,4322.83 ; v1(2401.57,4401.57) U13.R1@2417.32,4385.83 ; v1(2401.57,4464.57) U13.N1@2417.32,4448.82 ; v1(2401.57,4527.56) U13.L1@2417.32,4511.81 ; v1(2401.57,4590.55) U13.J1@2417.32,4574.8 ; v1(2401.57,4653.54) U13.G1@2417.32,4637.8 ; v1(2401.57,4716.54) U13.E1@2417.32,4700.79 ; v1(2401.57,4779.53) U13.C1@2417.32,4763.78 ; v1(2401.57,4842.52) U13.A1@2417.32,4826.77 ; v1(2433.07,2086.61) U4.A29@2448.82,2102.36 ; v1(2433.07,2149.61) U4.C29@2448.82,2165.35 ; v1(2433.07,2212.6) U4.E29@2448.82,2228.35 ; v1(2433.07,2275.59) U4.G29@2448.82,2291.34 ; v1(2433.07,2338.58) U4.J29@2448.82,2354.33 ; v1(2433.07,2401.57) U4.L29@2448.82,2417.32 ; v1(2433.07,2464.57) U4.N29@2448.82,2480.31 ; v1(2433.07,2527.56) U4.R29@2448.82,2543.31 ; v1(2433.07,2622.05) U4.U29@2448.82,2606.3 ; v1(2433.07,2685.04) U4.W29@2448.82,2669.29 ; v1(2433.07,2748.03) U4.AA29@2448.82,2732.28 ; v1(2433.07,2811.02) U4.AC29@2448.82,2795.28 ; v1(2433.07,2874.02) U4.AE29@2448.82,2858.27 ; v1(2433.07,2937.01) U4.AG29@2448.82,2921.26 ; v1(2433.07,3000) U4.AJ29@2448.82,2984.25 ; v1(2433.07,3897.64) U13.AK2@2448.82,3913.39 ; v1(2433.07,3960.63) U13.AH2@2448.82,3976.38 ; v1(2433.07,4023.62) U13.AF2@2448.82,4039.37 ; v1(2433.07,4086.61) U13.AD2@2448.82,4102.36 ; v1(2433.07,4149.61) U13.AB2@2448.82,4165.35 ; v1(2433.07,4212.6) U13.Y2@2448.82,4228.35 ; v1(2433.07,4275.59) U13.V2@2448.82,4291.34 ; v1(2433.07,4338.58) U13.T2@2448.82,4354.33 ; v1(2433.07,4433.07) U13.P2@2448.82,4417.32 ; v1(2433.07,4496.06) U13.M2@2448.82,4480.31 ; v1(2433.07,4559.06) U13.K2@2448.82,4543.31 ; v1(2433.07,4622.05) U13.H2@2448.82,4606.3 ; v1(2433.07,4685.04) U13.F2@2448.82,4669.29 ; v1(2433.07,4748.03) U13.D2@2448.82,4732.28 ; v1(2433.07,4811.02) U13.B2@2448.82,4795.28 ; v1(2464.57,2118.11) U4.B28@2480.31,2133.86 ; v1(2464.57,2181.1) U4.D28@2480.31,2196.85 ; v1(2464.57,2244.09) U4.F28@2480.31,2259.84 ; v1(2464.57,2307.09) U4.H28@2480.31,2322.83 ; v1(2464.57,2370.08) U4.K28@2480.31,2385.83 ; v1(2464.57,2433.07) U4.M28@2480.31,2448.82 ; v1(2464.57,2496.06) U4.P28@2480.31,2511.81 ; v1(2464.57,2590.55) U4.T28@2480.31,2574.8 ; v1(2464.57,2653.54) U4.V28@2480.31,2637.8 ; v1(2464.57,2716.54) U4.Y28@2480.31,2700.79 ; v1(2464.57,2779.53) U4.AB28@2480.31,2763.78 ; v1(2464.57,2842.52) U4.AD28@2480.31,2826.77 ; v1(2464.57,2905.51) U4.AF28@2480.31,2889.76 ; v1(2464.57,2968.5) U4.AH28@2480.31,2952.76 ; v1(2464.57,3929.13) U13.AJ3@2480.31,3944.88 ; v1(2464.57,3992.13) U13.AG3@2480.31,4007.87 ; v1(2464.57,4055.12) U13.AE3@2480.31,4070.87 ; v1(2464.57,4118.11) U13.AC3@2480.31,4133.86 ; v1(2464.57,4181.1) U13.AA3@2480.31,4196.85 ; v1(2464.57,4244.09) U13.W3@2480.31,4259.84 ; v1(2464.57,4307.09) U13.U3@2480.31,4322.83 ; v1(2464.57,4401.57) U13.R3@2480.31,4385.83 ; v1(2464.57,4464.57) U13.N3@2480.31,4448.82 ; v1(2464.57,4527.56) U13.L3@2480.31,4511.81 ; v1(2464.57,4590.55) U13.J3@2480.31,4574.8 ; v1(2464.57,4653.54) U13.G3@2480.31,4637.8 ; v1(2464.57,4716.54) U13.E3@2480.31,4700.79 ; v1(2464.57,4779.53) U13.C3@2480.31,4763.78 ; v1(2464.57,4842.52) U13.A3@2480.31,4826.77 ; v1(2496.06,2086.61) U4.A27@2511.81,2102.36 ; v1(2496.06,2149.61) U4.C27@2511.81,2165.35 ; v1(2496.06,2212.6) U4.E27@2511.81,2228.35 ; v1(2496.06,2275.59) U4.G27@2511.81,2291.34 ; v1(2496.06,2338.58) U4.J27@2511.81,2354.33 ; v1(2496.06,2401.57) U4.L27@2511.81,2417.32 ; v1(2496.06,2464.57) U4.N27@2511.81,2480.31 ; v1(2496.06,2527.56) U4.R27@2511.81,2543.31 ; v1(2496.06,2622.05) U4.U27@2511.81,2606.3 ; v1(2496.06,2685.04) U4.W27@2511.81,2669.29 ; v1(2496.06,2748.03) U4.AA27@2511.81,2732.28 ; v1(2496.06,2811.02) U4.AC27@2511.81,2795.28 ; v1(2496.06,2874.02) U4.AE27@2511.81,2858.27 ; v1(2496.06,2937.01) U4.AG27@2511.81,2921.26 ; v1(2496.06,3000) U4.AJ27@2511.81,2984.25 ; v1(2496.06,3929.13) U13.AJ4@2511.81,3944.88 ; v1(2496.06,3960.63) U13.AH4@2511.81,3976.38 ; v1(2496.06,4023.62) U13.AF4@2511.81,4039.37 ; v1(2496.06,4086.61) U13.AD4@2511.81,4102.36 ; v1(2496.06,4149.61) U13.AB4@2511.81,4165.35 ; v1(2496.06,4212.6) U13.Y4@2511.81,4228.35 ; v1(2496.06,4275.59) U13.V4@2511.81,4291.34 ; v1(2496.06,4338.58) U13.T4@2511.81,4354.33 ; v1(2496.06,4433.07) U13.P4@2511.81,4417.32 ; v1(2496.06,4496.06) U13.M4@2511.81,4480.31 ; v1(2496.06,4559.06) U13.K4@2511.81,4543.31 ; v1(2496.06,4622.05) U13.H4@2511.81,4606.3 ; v1(2496.06,4685.04) U13.F4@2511.81,4669.29 ; v1(2496.06,4748.03) U13.D4@2511.81,4732.28 ; v1(2496.06,4811.02) U13.B4@2511.81,4795.28 ; v1(2527.56,2118.11) U4.B26@2543.31,2133.86 ; v1(2527.56,2181.1) U4.D26@2543.31,2196.85 ; v1(2527.56,2244.09) U4.F26@2543.31,2259.84 ; v1(2527.56,2307.09) U4.H26@2543.31,2322.83 ; v1(2527.56,2370.08) U4.K26@2543.31,2385.83 ; v1(2527.56,2433.07) U4.M26@2543.31,2448.82 ; v1(2527.56,2496.06) U4.P26@2543.31,2511.81 ; v1(2527.56,2590.55) U4.T26@2543.31,2574.8 ; v1(2527.56,2653.54) U4.V26@2543.31,2637.8 ; v1(2527.56,2716.54) U4.Y26@2543.31,2700.79 ; v1(2527.56,2779.53) U4.AB26@2543.31,2763.78 ; v1(2527.56,2842.52) U4.AD26@2543.31,2826.77 ; v1(2527.56,2905.51) U4.AF26@2543.31,2889.76 ; v1(2527.56,2968.5) U4.AH26@2543.31,2952.76 ; v1(2527.56,3000) U4.AJ26@2543.31,2984.25 ; v1(2527.56,3992.13) U13.AG5@2543.31,4007.87 ; v1(2527.56,4055.12) U13.AE5@2543.31,4070.87 ; v1(2527.56,4118.11) U13.AC5@2543.31,4133.86 ; v1(2527.56,4181.1) U13.AA5@2543.31,4196.85 ; v1(2527.56,4244.09) U13.W5@2543.31,4259.84 ; v1(2527.56,4307.09) U13.U5@2543.31,4322.83 ; v1(2527.56,4401.57) U13.R5@2543.31,4385.83 ; v1(2527.56,4464.57) U13.N5@2543.31,4448.82 ; v1(2527.56,4527.56) U13.L5@2543.31,4511.81 ; v1(2527.56,4590.55) U13.J5@2543.31,4574.8 ; v1(2527.56,4653.54) U13.G5@2543.31,4637.8 ; v1(2527.56,4716.54) U13.E5@2543.31,4700.79 ; v1(2527.56,4779.53) U13.C5@2543.31,4763.78 ; v1(2527.56,4842.52) U13.A5@2543.31,4826.77 ; v1(2559.06,2086.61) U4.A25@2574.8,2102.36 ; v1(2559.06,2149.61) U4.C25@2574.8,2165.35 ; v1(2559.06,2212.6) U4.E25@2574.8,2228.35 ; v1(2559.06,2275.59) U4.G25@2574.8,2291.34 ; v1(2559.06,2338.58) U4.J25@2574.8,2354.33 ; v1(2559.06,2401.57) U4.L25@2574.8,2417.32 ; v1(2559.06,2464.57) U4.N25@2574.8,2480.31 ; v1(2559.06,2527.56) U4.R25@2574.8,2543.31 ; v1(2559.06,2622.05) U4.U25@2574.8,2606.3 ; v1(2559.06,2685.04) U4.W25@2574.8,2669.29 ; v1(2559.06,2748.03) U4.AA25@2574.8,2732.28 ; v1(2559.06,2811.02) U4.AC25@2574.8,2795.28 ; v1(2559.06,2874.02) U4.AE25@2574.8,2858.27 ; v1(2559.06,2937.01) U4.AG25@2574.8,2921.26 ; v1(2559.06,3929.13) U13.AJ6@2574.8,3944.88 ; v1(2559.06,3960.63) U13.AH6@2574.8,3976.38 ; v1(2559.06,4023.62) U13.AF6@2574.8,4039.37 ; v1(2559.06,4086.61) U13.AD6@2574.8,4102.36 ; v1(2559.06,4149.61) U13.AB6@2574.8,4165.35 ; v1(2559.06,4212.6) U13.Y6@2574.8,4228.35 ; v1(2559.06,4275.59) U13.V6@2574.8,4291.34 ; v1(2559.06,4338.58) U13.T6@2574.8,4354.33 ; v1(2559.06,4433.07) U13.P6@2574.8,4417.32 ; v1(2559.06,4496.06) U13.M6@2574.8,4480.31 ; v1(2559.06,4559.06) U13.K6@2574.8,4543.31 ; v1(2559.06,4622.05) U13.H6@2574.8,4606.3 ; v1(2559.06,4685.04) U13.F6@2574.8,4669.29 ; v1(2559.06,4748.03) U13.D6@2574.8,4732.28 ; v1(2559.06,4811.02) U13.B6@2574.8,4795.28 ; v1(2590.55,2118.11) U4.B24@2606.3,2133.86 ; v1(2590.55,2181.1) U4.D24@2606.3,2196.85 ; v1(2590.55,2244.09) U4.F24@2606.3,2259.84 ; v1(2590.55,2307.09) U4.H24@2606.3,2322.83 ; v1(2590.55,2370.08) U4.K24@2606.3,2385.83 ; v1(2590.55,2433.07) U4.M24@2606.3,2448.82 ; v1(2590.55,2496.06) U4.P24@2606.3,2511.81 ; v1(2590.55,2590.55) U4.T24@2606.3,2574.8 ; v1(2590.55,2653.54) U4.V24@2606.3,2637.8 ; v1(2590.55,2716.54) U4.Y24@2606.3,2700.79 ; v1(2590.55,2779.53) U4.AB24@2606.3,2763.78 ; v1(2590.55,2842.52) U4.AD24@2606.3,2826.77 ; v1(2590.55,2905.51) U4.AF24@2606.3,2889.76 ; v1(2590.55,2968.5) U4.AH24@2606.3,2952.76 ; v1(2590.55,3992.13) U13.AG7@2606.3,4007.87 ; v1(2590.55,4055.12) U13.AE7@2606.3,4070.87 ; v1(2590.55,4118.11) U13.AC7@2606.3,4133.86 ; v1(2590.55,4181.1) U13.AA7@2606.3,4196.85 ; v1(2590.55,4244.09) U13.W7@2606.3,4259.84 ; v1(2590.55,4307.09) U13.U7@2606.3,4322.83 ; v1(2590.55,4401.57) U13.R7@2606.3,4385.83 ; v1(2590.55,4464.57) U13.N7@2606.3,4448.82 ; v1(2590.55,4527.56) U13.L7@2606.3,4511.81 ; v1(2590.55,4590.55) U13.J7@2606.3,4574.8 ; v1(2590.55,4653.54) U13.G7@2606.3,4637.8 ; v1(2590.55,4716.54) U13.E7@2606.3,4700.79 ; v1(2590.55,4779.53) U13.C7@2606.3,4763.78 ; v1(2590.55,4842.52) U13.A7@2606.3,4826.77 ; v1(2622.05,2086.61) U4.A23@2637.8,2102.36 ; v1(2622.05,2149.61) U4.C23@2637.8,2165.35 ; v1(2622.05,2212.6) U4.E23@2637.8,2228.35